# Altium PCB MEA_CLDP.PcbDoc (part 2 of 3)
Units mm, origin at the board's own origin, x right, y up, seen from the top; angles counter-clockwise.
Board outline 188.25 x 87.5 mm, 4 copper layers (Top Copper Layer, Internal Copper Layer 1, Internal Copper Layer 2, Bottom Copper Layer), stack 1.58 mm thick; 138 components, 326 nets, 1047 pads, 188 vias.
Unrouted connection lines stored in the file: 1.
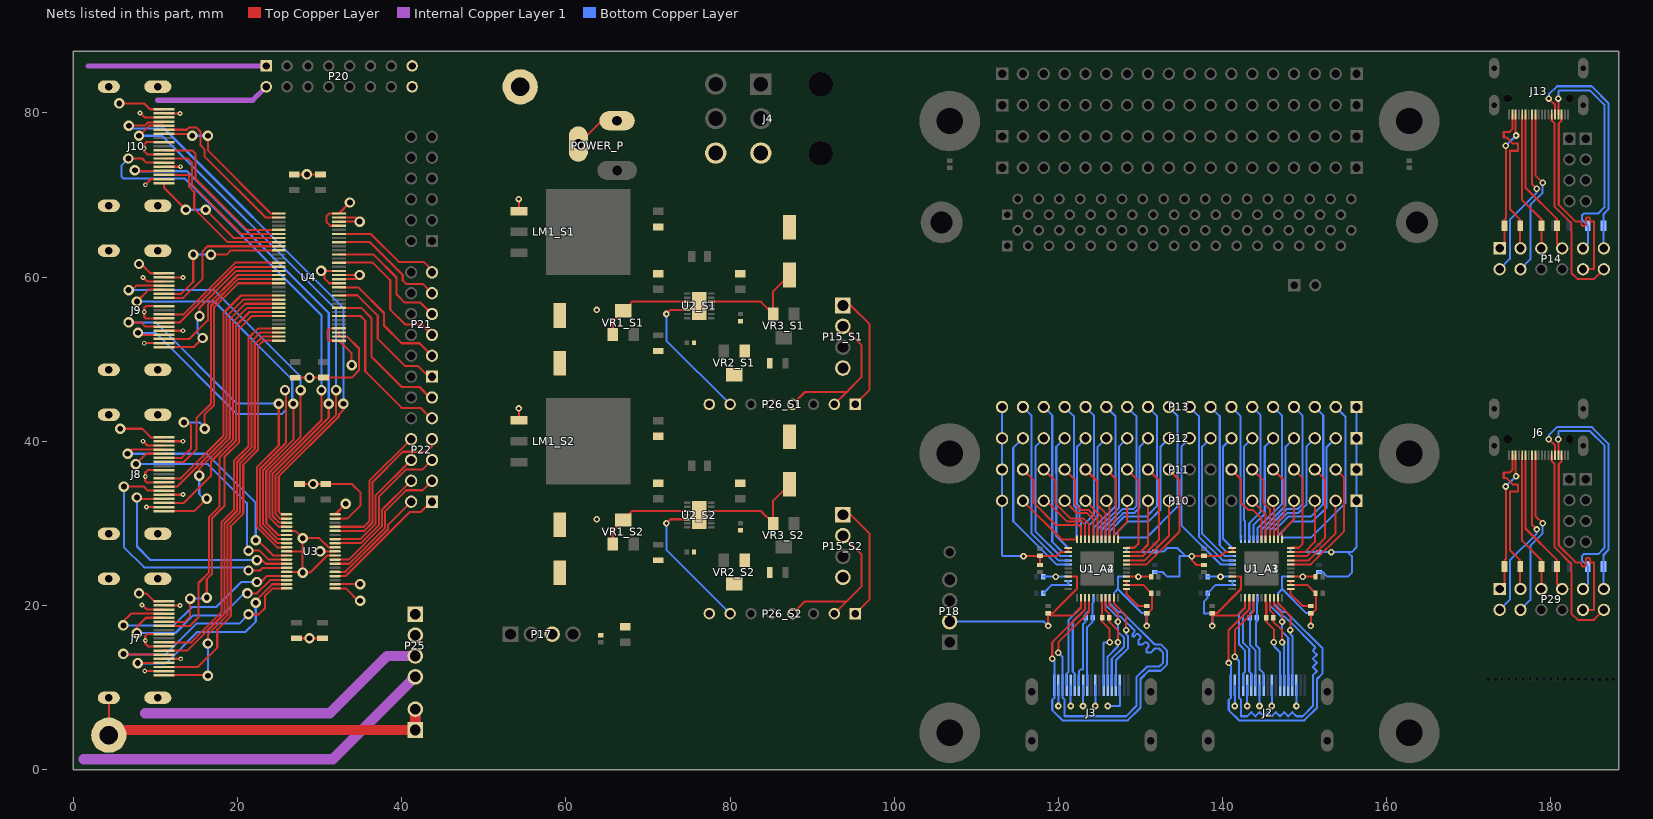
[diagram p4: the nets of this part, all layers, seen from the top]

## Via types
v1: diameter 0.8, hole 0.4, Top Copper Layer to Bottom Copper Layer, 101 vias
v2: diameter 1.27, hole 0.711, Top Copper Layer to Bottom Copper Layer, 67 vias
v3: diameter 0.6, hole 0.25, Top Copper Layer to Bottom Copper Layer, 20 vias

## Nets (pads, with @x,y where several pads share a name; then routed paths per layer and width w, separated by ;. In a path a pad name is that pad's centre, name@x,y a point inside that pad or via, vN(x,y) a via of type N, cw(c..) or ccw(c..) an arc to the next point about the centre after c; other vN are vias at no path point) (continued)
ELECIN5: P11.7 U1_A1.39 | length 10.4
  Top Copper Layer w0.25: P11.7@141.08,36.56 142.25,35.39 142.25,32.5 143.1,31.65 143.665,31.65 144.75,30.565 U1_A1.39@144.75,28.05
ELECIN6: P10.6 U1_A1.38 | length 5.4
  Top Copper Layer w0.25: P10.6@143.62,32.75 145.25,31.12 U1_A1.38@145.25,28.05
ELECIN7: P11.6 U1_A1.37 | length 9.4
  Top Copper Layer w0.25: P11.6@143.62,36.56 145,35.18 145,32.46 145.735,31.725 145.75,31.725 145.75,30.725 U1_A1.37@145.75,28.05
ELECIN8: P10.5 U1_A1.36 | length 4.7
  Top Copper Layer w0.25: P10.5@146.16,32.75 146.25,32.66 U1_A1.36@146.25,28.05
ELECIN9: P11.5 U1_A1.35 | length 9.4
  Top Copper Layer w0.25: P11.5@146.16,36.56 147.5,35.22 147.5,31 146.75,30.25 U1_A1.35@146.75,28.05
ELECIN10: P10.4 U1_A1.34 | length 5.3
  Top Copper Layer w0.25: U1_A1.34@147.25,28.05 147.25,29.05 148.7,30.5 P10.4@148.7,32.75
ELECIN11: P11.4 U1_A1.33 | length 11.2
  Top Copper Layer w0.25: U1_A1.33@148.3,27 148.325,27.025 149.275,27.025 149.75,27.5 149.75,35.51 P11.4@148.7,36.56
ELECIN12: P10.3 U1_A1.32 | length 8.5
  Top Copper Layer w0.25: U1_A1.32@148.3,26.5 149,26.5 150,26.5 151.25,27.75 151.25,32.74 P10.3@151.24,32.75
ELECIN13: P11.3 U1_A1.31 | length 14
  Top Copper Layer w0.25: U1_A1.31@148.3,26 149.25,26 150.25,26 152.5,28.25 152.5,35.3 P11.3@151.24,36.56
ELECIN14: P10.2 U1_A1.30 | length 10.8
  Top Copper Layer w0.25: U1_A1.30@148.3,25.5 150.5,25.5 153.78,28.78 P10.2@153.78,32.75
ELECIN15: P11.2 U1_A1.29 | length 16.1
  Top Copper Layer w0.25: U1_A1.29@148.3,25 150.75,25 154.805,29.055 154.805,35.535 P11.2@153.78,36.56
ELECIN16: P13.2 U1_A3.44 | length 21.8
  Bottom Copper Layer w0.25: U1_A3.44@147.25,28.05 147.45,28.25 150.73,28.25 155,32.52 155,42.96 P13.2@153.78,44.18
ELECIN17: P12.2 U1_A3.43 | length 16.7
  Bottom Copper Layer w0.25: U1_A3.43@146.75,28.05 146.75,28.514 148.486,30.25 151,30.25 152.665,31.915 152.665,39.255 P12.2@153.78,40.37
ELECIN18: P13.3 U1_A3.42 | length 20.7
  Bottom Copper Layer w0.25: U1_A3.42@146.25,28.05 146.25,29.053 148.047,30.85 150.79,30.85 152.265,32.325 152.265,43.155 P13.3@151.24,44.18
ELECIN19: P12.3 U1_A3.41 | length 15.4
  Bottom Copper Layer w0.25: U1_A3.41@145.75,28.05 145.75,29.119 147.881,31.25 149.21,31.25 149.285,31.325 149.29,31.325 150.215,32.25 150.215,39.345 P12.3@151.24,40.37
ELECIN20: P13.4 U1_A3.40 | length 19.2
  Bottom Copper Layer w0.25: U1_A3.40@145.25,28.05 145.25,29.184 147.791,31.725 149.125,31.725 149.725,32.325 149.725,43.155 P13.4@148.7,44.18
ELECIN21: P12.4 U1_A3.39 | length 14
  Bottom Copper Layer w0.25: U1_A3.39@144.75,28.05 144.75,29.25 147.675,32.175 147.675,39.345 P12.4@148.7,40.37
ELECIN22: P13.5 U1_A3.38 | length 17.8
  Bottom Copper Layer w0.25: U1_A3.38@144.25,28.05 144.25,29.39 147.25,32.39 147.25,43.09 P13.5@146.16,44.18
ELECIN23: P12.5 U1_A3.37 | length 13.3
  Bottom Copper Layer w0.25: U1_A3.37@143.75,28.05 143.75,29.75 145.135,31.135 145.135,39.345 P12.5@146.16,40.37
ELECIN24: P13.6 U1_A3.36 | length 17.1
  Bottom Copper Layer w0.25: U1_A3.36@143.25,28.05 143.25,30 144.645,31.395 144.645,43.155 P13.6@143.62,44.18
ELECIN25: P12.6 U1_A3.35 | length 12.8
  Bottom Copper Layer w0.25: U1_A3.35@142.75,28.05 142.75,30.25 142.595,30.405 142.595,39.345 P12.6@143.62,40.37
ELECIN26: P13.7 U1_A3.34 | length 16.6
  Bottom Copper Layer w0.25: P13.7@141.08,44.18 142.195,43.065 142.195,28.105 U1_A3.34@142.25,28.05
ELECIN27: P12.7 U1_A3.33 | length 14.3
  Bottom Copper Layer w0.25: P12.7@141.08,40.37 140.055,39.345 140.055,28.145 U1_A3.33@141.2,27
ELECIN28: P13.8 U1_A3.32 | length 19.2
  Bottom Copper Layer w0.25: P13.8@138.54,44.18 139.655,43.065 139.655,27.345 140.5,26.5 U1_A3.32@141.2,26.5
ELECIN29: P12.8 U1_A3.31 | length 16.9
  Bottom Copper Layer w0.25: P12.8@138.54,40.37 137.515,39.345 137.515,28.735 140.25,26 U1_A3.31@141.2,26
ELECIN30: P13.9 U1_A3.30 | length 21.5
  Bottom Copper Layer w0.25: P13.9@136,44.18 137.115,43.065 137.115,28.385 140,25.5 U1_A3.30@141.2,25.5
ELECIN31: P12.9 U1_A3.29 | length 19.2
  Bottom Copper Layer w0.25: P12.9@136,40.37 134.975,39.345 134.975,29.775 139.75,25 U1_A3.29@141.2,25
ELECIN32: P10.17 U1_A2.44 | length 8.5
  Top Copper Layer w0.25: P10.17@115.68,32.75 120.38,28.05 U1_A2.44@122.25,28.05
ELECIN33: P11.17 U1_A2.43 | length 13.4
  Top Copper Layer w0.25: P11.17@115.68,36.56 117,35.24 117,32.5 119.7,29.8 122.5,29.8 122.75,29.55 U1_A2.43@122.75,27.75
ELECIN34: P10.16 U1_A2.42 | length 8.1
  Top Copper Layer w0.25: P10.16@118.22,32.75 118.54,32.75 121.09,30.2 122.866,30.2 123.25,29.816 U1_A2.42@123.25,28
ELECIN35: P11.16 U1_A2.41 | length 11.7
  Top Copper Layer w0.25: P11.16@118.22,36.56 119.655,35.125 119.655,32.405 121.46,30.6 123.031,30.6 123.75,29.881 U1_A2.41@123.75,28.05
ELECIN36: P10.15 U1_A2.40 | length 6.9
  Top Copper Layer w0.25: P10.15@120.76,32.75 122.26,31.25 123.5,31.25 124.25,30.5 U1_A2.40@124.25,28.05
ELECIN37: P11.15 U1_A2.39 | length 10.7
  Top Copper Layer w0.25: P11.15@120.76,36.56 122,35.32 122,32.345 122.695,31.65 123.665,31.65 124.75,30.565 U1_A2.39@124.75,28.05
ELECIN38: P10.14 U1_A2.38 | length 5.5
  Top Copper Layer w0.25: P10.14@123.3,32.75 125.25,30.8 U1_A2.38@125.25,28.05
ELECIN39: P11.14 U1_A2.37 | length 9.5
  Top Copper Layer w0.25: P11.14@123.3,36.56 124.7,35.16 124.7,32.275 125.75,31.225 125.75,30.725 U1_A2.37@125.75,28.05
ELECIN40: P10.13 U1_A2.36 | length 4.9
  Top Copper Layer w0.25: P10.13@125.84,32.75 126.25,32.34 U1_A2.36@126.25,28.05
ELECIN41: P11.13 U1_A2.35 | length 9.1
  Top Copper Layer w0.25: P11.13@125.84,36.56 127,35.4 127,30.5 126.75,30.25 U1_A2.35@126.75,28.05
ELECIN42: P10.12 U1_A2.34 | length 5.2
  Top Copper Layer w0.25: U1_A2.34@127.25,28.05 127.25,29.05 128.38,30.18 P10.12@128.38,32.75
ELECIN43: P11.12 U1_A2.33 | length 11.3
  Top Copper Layer w0.25: U1_A2.33@128.3,27 128.325,27.025 129.275,27.025 129.75,27.5 129.75,35.19 P11.12@128.38,36.56
ELECIN44: P10.11 U1_A2.32 | length 8.3
  Top Copper Layer w0.25: U1_A2.32@128.3,26.5 129,26.5 130,26.5 130.92,27.42 P10.11@130.92,32.75
ELECIN45: P11.11 U1_A2.31 | length 13.9
  Top Copper Layer w0.25: U1_A2.31@128.3,26 129.25,26 130.25,26 132.25,28 132.25,35.23 P11.11@130.92,36.56
ELECIN46: P10.10 U1_A2.30 | length 10.7
  Top Copper Layer w0.25: U1_A2.30@128.3,25.5 130.5,25.5 133.46,28.46 P10.10@133.46,32.75
ELECIN47: P11.10 U1_A2.29 | length 16.2
  Top Copper Layer w0.25: U1_A2.29@128.3,25 130.75,25 134.75,29 134.75,35.27 P11.10@133.46,36.56
ELECIN48: P13.10 U1_A4.44 | length 21.5
  Bottom Copper Layer w0.25: U1_A4.44@127.25,28.05 127.45,28.25 130.73,28.25 134.5,32.02 134.5,43.14 P13.10@133.46,44.18
ELECIN49: P12.10 U1_A4.43 | length 16.6
  Bottom Copper Layer w0.25: U1_A4.43@126.75,28.05 126.75,28.514 128.486,30.25 131,30.25 132.435,31.685 132.435,39.345 P12.10@133.46,40.37
ELECIN50: P13.11 U1_A4.42 | length 20.6
  Bottom Copper Layer w0.25: U1_A4.42@126.25,28.05 126.25,29.053 128.047,30.85 130.79,30.85 132,32.06 132,43.1 P13.11@130.92,44.18
ELECIN51: P12.11 U1_A4.41 | length 15.2
  Bottom Copper Layer w0.25: U1_A4.41@125.75,28.05 125.75,29.119 127.881,31.25 129.21,31.25 129.285,31.325 129.29,31.325 129.895,31.93 129.895,39.345 P12.11@130.92,40.37
ELECIN52: P13.12 U1_A4.40 | length 19.1
  Bottom Copper Layer w0.25: U1_A4.40@125.25,28.05 125.25,29.184 127.791,31.725 129.125,31.725 129.495,32.095 129.495,39.511 129.5,39.516 129.5,43.06 P13.12@128.38,44.18
ELECIN53: P12.12 U1_A4.39 | length 13.8
  Bottom Copper Layer w0.25: U1_A4.39@124.75,28.05 124.75,29.25 127.355,31.855 127.355,39.345 P12.12@128.38,40.37
ELECIN54: P13.13 U1_A4.38 | length 17.7
  Bottom Copper Layer w0.25: U1_A4.38@124.25,28.05 124.25,29.39 126.955,32.095 126.955,43.065 P13.13@125.84,44.18
ELECIN55: P12.13 U1_A4.37 | length 13.2
  Bottom Copper Layer w0.25: U1_A4.37@123.75,28.05 123.75,29.75 124.75,30.75 124.75,39.28 P12.13@125.84,40.37
ELECIN56: P13.14 U1_A4.36 | length 17
  Bottom Copper Layer w0.25: U1_A4.36@123.25,28.05 123.25,30 124.325,31.075 124.325,43.155 P13.14@123.3,44.18
ELECIN57: P12.14 U1_A4.35 | length 12.9
  Bottom Copper Layer w0.25: U1_A4.35@122.75,28.05 122.75,30.25 122.595,30.405 122.595,32.005 122.275,32.325 122.275,39.345 P12.14@123.3,40.37
ELECIN58: P13.15 U1_A4.34 | length 16.7
  Bottom Copper Layer w0.25: P13.15@120.76,44.18 121.875,43.065 121.875,32.16 122.195,31.84 122.195,28.105 U1_A4.34@122.25,28.05
ELECIN59: P12.15 U1_A4.33 | length 14.4
  Bottom Copper Layer w0.25: P12.15@120.76,40.37 119.735,39.345 119.735,36.135 119.75,36.12 119.75,33.19 119.735,33.175 119.735,28.465 U1_A4.33@121.2,27
ELECIN60: P13.16 U1_A4.32 | length 19.3
  Bottom Copper Layer w0.25: P13.16@118.22,44.18 119.25,43.15 119.25,27.75 120.5,26.5 U1_A4.32@121.2,26.5
ELECIN61: P12.16 U1_A4.31 | length 17
  Bottom Copper Layer w0.25: P12.16@118.22,40.37 117.195,39.345 117.195,29.055 120.25,26 U1_A4.31@121.2,26
ELECIN62: P13.17 U1_A4.30 | length 21.7
  Bottom Copper Layer w0.25: P13.17@115.68,44.18 116.75,43.11 116.75,28.75 120,25.5 U1_A4.30@121.2,25.5
ELECIN63: P12.17 U1_A4.29 | length 19.5
  Bottom Copper Layer w0.25: P12.17@115.68,40.37 114.5,39.19 114.5,30.25 119.75,25 U1_A4.29@121.2,25
EPAD_S1: C5_S1.1 C5_S2.1 C6_S1.1 C6_S2.1 C7_S1.1 C7_S2.1 C8_S1.1 C8_S2.1 C9_S1.1 C9_S2.1 C11_S1.1 C11_S2.1 C12.2 C13.2 C44_S1.1 C44_S2.1 Designator2.1 J4.3 J4.6 LM1_S1.1 LM1_S2.1 P15_S1.4 P15_S2.4 P17.3 P26_S1.8 P26_S2.8 POWER_P.2 POWER_P.3 R12_S1.1 R12_S2.1 R13_S1.2 R13_S2.2 U2_S1.15 U2_S2.15 VR2_S1.1 VR2_S1.2 VR2_S2.1 VR2_S2.2 | length 8.9
  Top Copper Layer w0.25: v1(54.25,44.003) 54.3,43.953 LM1_S2.1@54.3,42.543 ; v1(54.25,69.503) 54.3,69.453 LM1_S1.1@54.3,68.043 ; POWER_P.2@61.521,76.203 64.371,79.053 POWER_P.3@66.236,79.053
GND: C1_A1.1 C1_A2.1 C1_A3.1 C1_A4.1 C2_A1.1 C2_A2.1 C2_A3.1 C2_A4.1 C3_A1.1 C3_A2.1 C3_A3.1 C3_A4.1 C4_A1.1 C4_A2.1 C4_A3.1 C4_A4.1 J2.2 J2.5 J2.8 J2.11 J2.17 J3.2 J3.5 J3.8 J3.11 J3.17 P10.1 P10.18 P11.1 P11.18 P12.1 P12.18 P13.1 P13.18 P18.2 R20_A1.2 R20_A2.2 R20_A3.2 R20_A4.2 U1_A1.1 U1_A1.2 U1_A1.8 U1_A1.13 U1_A1.24 U1_A1.25 U1_A2.1 U1_A2.2 U1_A2.8 U1_A2.13 U1_A2.24 U1_A2.25 U1_A3.1 U1_A3.2 U1_A3.8 U1_A3.13 U1_A3.24 U1_A3.25 U1_A4.1 U1_A4.2 U1_A4.8 U1_A4.13 U1_A4.24 U1_A4.25 | length 202.2
  Top Copper Layer w0.25: v1(115.75,26) 117.68,26 117.75,25.93 C4_A2.1@117.75,24.93 ; R20_A4.2@117.75,26 119.75,26 120.25,26.5 U1_A2.2@121.2,26.5 U1_A2.1@121.2,27 ; v1(118.75,17.5) C3_A2.1@118.75,19.07 ; U1_A2.8@121.2,23.5 122.25,23.5 122.25,22.004 120.075,19.829 120.075,19.825 119.32,19.07 C3_A2.1@118.75,19.07 ; U1_A2.13@122.75,20.95 122.75,19.75 121.75,18.75 119.07,18.75 C3_A2.1@118.75,19.07 ; U1_A2.25@128.3,23 U1_A2.24@128.3,22.5 130.32,22.5 C1_A2.1@131.32,21.5 ; v1(130.75,17.5) C2_A2.1@130.75,19.07 ; C2_A2.1@130.899,19.07 131.375,19.546 C1_A2.1@131.375,21.5 ; C4_A1.1@137.75,24.93 136.82,24.93 136.25,25.5 v1(136.25,26) 139.75,26 140.25,26.5 U1_A1.2@141.2,26.5 U1_A1.1@141.2,27 ; v1(138.75,17.5) C3_A1.1@138.75,19.07 ; U1_A1.8@141.2,23.5 142.25,23.5 142.25,22 142.246,22 139.316,19.07 C3_A1.1@138.75,19.07 ; U1_A1.13@142.75,20.95 142.75,19.75 141.75,18.75 139.07,18.75 C3_A1.1@138.75,19.07 ; U1_A1.25@148.3,23 U1_A1.24@148.3,22.5 150.32,22.5 C1_A1.1@151.32,21.5 151.375,21.5 151.375,19.546 150.899,19.07 C2_A1.1@150.75,19.07 v1(150.75,17.5)
  Bottom Copper Layer w0.25: P18.2@106.75,18.04 118.21,18.04 v1(118.75,17.5) ; P13.18@113.14,44.18 P12.18@113.14,40.37 P11.18@113.14,36.56 P10.18@113.14,32.75 113.14,26.11 113.25,26 v1(115.75,26) ; C1_A4.1@118.18,21.5 119.18,22.5 119.75,22.5 U1_A4.24@121.2,22.5 U1_A4.25@121.2,23 ; v1(120,7.75) J3.2@120,10.26 ; v1(121.5,7.75) J3.5@121.5,10.26 ; v1(123,7.75) J3.8@123,10.26 ; v1(124.5,7.75) J3.11@124.5,10.26 ; v1(126,7.75) 127.5,7.75 J3.17@127.5,10.26 ; U1_A4.13@126.75,20.95 126.75,21.5 127.25,22 ; U1_A4.8@128.3,23.5 127.25,23.5 127.25,22 ; U1_A4.1@128.3,27 U1_A4.2@128.3,26.5 131.68,26.5 R20_A2.2@131.75,26.57 132.82,26.57 133.25,27 134.5,27 135.5,26 ; v1(130.75,17.5) C3_A4.1@130.75,19.07 130.18,19.07 127.25,22 ; C4_A4.1@131.75,24.07 132.68,24.07 133.25,23.5 134.75,23.5 134.75,26 135.5,26 ; v1(136.25,26) 135.5,26 ; v1(138.75,17.5) C2_A3.1@138.75,19.07 138.68,19 137.75,19 137.75,20.5 138.18,20.93 C1_A3.1@138.18,21.5 139.18,22.5 139.75,22.5 U1_A3.24@141.2,22.5 U1_A3.25@141.2,23 ; v1(141.5,7.75) J2.2@141.5,10.26 ; v1(143,7.75) J2.5@143,10.26 ; v1(144.5,7.75) J2.8@144.5,10.26 ; v1(146,7.75) J2.11@146,10.26 ; U1_A3.13@146.75,20.95 146.75,21.5 147.25,22 ; U1_A3.8@148.3,23.5 147.25,23.5 147.25,22 ; U1_A3.1@148.3,27 U1_A3.2@148.3,26.5 R20_A3.2@151.75,26.5 v1(153.25,26.5) 155.25,26.5 ; v1(149,7.75) J2.17@149,10.26 ; v1(150.75,17.5) C3_A3.1@150.75,19.07 150.18,19.07 147.25,22 ; C4_A3.1@151.75,24.07 152.18,24.07 152.75,23.5 155.25,23.5 155.75,24 155.75,26 155.25,26.5 ; P13.1@156.32,44.18 P12.1@156.32,40.37 P11.1@156.32,36.56 P10.1@156.32,32.75 156.32,27.07 155.75,26.5 155.25,26.5
lbGND: J7.2 J7.5 J7.8 J7.11 J7.17 J8.2 J8.5 J8.8 J8.11 J8.17 J9.2 J9.5 J9.8 J9.11 J9.17 J10.2 J10.5 J10.8 J10.11 J10.17 P20.16 P25.2 U3.5 U3.10 U3.15 U3.20 U3.28 U3.30 U3.38 U4.1 U4.4 U4.15 U4.18 U4.29 U4.32 | length 97.8
  Top Copper Layer w0.254: v3(8.128,80.01) 8.692,79.446 J10.17@11.047,79.446 ; v3(8.382,20.066) 8.946,19.502 J7.17@11.047,19.502 ; v3(8.509,40.005) 9.031,39.483 J8.17@11.047,39.483 ; v3(8.509,59.944) 8.988,59.465 J9.17@11.047,59.465 ; v3(8.636,51.943) 8.658,51.965 J9.2@11.047,51.965 ; v3(8.7,12.002) J7.2@11.047,12.002 ; v3(8.763,71.247) 9.462,71.946 J10.2@11.047,71.946 ; v3(8.911,31.983) J8.2@11.047,31.983 ; J7.5@11.047,13.502 v3(13.081,13.502) ; J7.11@11.047,16.502 9.009,16.502 8.763,16.256 v3(8.763,15.748) 8.763,15.367 9.128,15.002 J7.8@11.047,15.002 J7.8@11.174,15.002 ; J8.5@11.047,33.483 13.29,33.483 v3(13.335,33.528) ; J8.8@11.047,34.983 8.959,34.983 8.763,35.179 v3(8.763,35.687) 8.763,36.195 9.051,36.483 J8.11@11.047,36.483 ; J9.5@11.047,53.465 v3(13.333,53.465) ; J9.8@11.047,54.965 8.789,54.965 8.636,55.118 v3(8.636,55.753) 8.636,56.261 8.84,56.465 J9.11@11.047,56.465 ; J10.5@11.047,73.446 v3(13.041,73.446) ; J10.8@11.047,74.946 9.001,74.946 8.636,75.311 v3(8.636,75.692) 8.636,76.2 8.882,76.446 J10.11@11.047,76.446 ; U3.15@25.977,24.083 27.86,24.083 v2(27.94,24.003) ; U3.10@25.977,26.583 27.94,26.583 ; U3.5@25.977,29.083 27.051,29.083 v2(27.94,28.194) ; U3.20@31.877,22.083 33.162,22.083 34.925,20.32 v2(34.925,20.574) ; U3.28@31.877,26.083 30.909,26.083 28.829,24.003 v2(27.94,24.003) ; U3.30@31.877,27.083 31.083,27.083 29.972,28.194 v2(27.94,28.194) ; U3.38@31.877,31.083 v2(33.179,32.385) ; U4.4@32.36,53.754 31.275,53.754 30.988,53.467 30.988,52.451 31.185,52.254 U4.1@32.36,52.254 33.909,50.705 v2(33.909,49.276) ; U4.15@32.36,59.254 31.17,59.254 30.607,59.817 30.607,60.754 U4.18@32.36,60.754 ; U4.29@32.36,66.254 31.282,66.254 30.861,66.675 30.861,67.437 31.178,67.754 U4.32@32.36,67.754 v2(33.694,69.088) ; v2(27.94,24.003) 27.94,26.583 ; 27.94,26.583 v2(27.94,28.194)
  Bottom Copper Layer w0.254: v2(27.94,24.003) v2@28.321,24.003 ; v2@30.099,60.833 v2(30.178,60.754) ; v2(33.179,32.385) v2@33.401,32.385
lbVDD: J7.18 J8.18 J9.18 J10.18 P20.15 P25.1 R1.2 R2.2 R6.2 R10.2 R11.2 R14.2 R15.2 R16.2 U3.21 U3.29 U3.37 U4.2 U4.3 U4.16 U4.17 U4.30 U4.31 | length 58.8
  Top Copper Layer w0.254: J7.18@11.047,20.002 v3(13.018,20.002) ; J8.18@11.047,39.983 11.069,40.005 v3(13.335,40.005) ; J9.18@11.047,59.965 13.314,59.965 v3(13.335,59.944) ; J10.18@11.047,79.946 v3(13.017,79.946) ; R10.2@26.924,72.512 v2(28.448,72.512) R14.2@30.099,72.512 ; R2.2@27.051,47.752 27.056,47.757 v2(28.768,47.757) R1.2@30.48,47.757 33.015,47.757 33.02,47.752 33.909,47.752 34.798,48.641 34.798,51.308 33.352,52.754 U4.2@32.36,52.754 U4.3@32.36,53.254 ; R15.2@27.178,16.002 v2(28.765,16.002) ; R11.2@27.559,34.798 v2(29.21,34.798) R6.2@30.734,34.798 33.909,34.798 34.989,33.718 34.989,32.194 33.377,30.583 U3.37@31.877,30.583 ; v2@28.765,15.557 v2(28.765,16.002) ; v2(30.059,26.583) U3.29@31.877,26.583 ; R16.2@30.353,16.002 v2(28.765,16.002) ; U3.21@31.877,22.583 31.9,22.606 v2(34.925,22.606) ; U4.16@32.36,59.754 34.369,59.754 v2(34.869,60.254) U4.17@32.36,60.254 ; U4.30@32.36,66.754 v2(34.877,66.754) 34.377,67.254 U4.31@32.36,67.254
  Bottom Copper Layer w0.254: v2(34.869,60.254) v2@35.052,60.071 ; v2(34.877,66.754) v2@34.925,66.802 ; v2@34.925,22.352 v2(34.925,22.606)
lbVSTIM+: J7.19 J9.19 P20.2 P25.3 | length 56.6
  Top Copper Layer w0.254: v2(8.001,21.463) 8.89,21.463 9.851,20.502 J7.19@11.047,20.502 ; v2(8.001,61.595) 8.255,61.595 9.385,60.465 J9.19@11.047,60.465
  Internal Copper Layer 1 w0.635: 10.287,81.534 21.844,81.534 P20.2@23.495,83.185
  Internal Copper Layer 1 w1.27: 8.763,6.858 31.242,6.858 38.227,13.843 P25.3@41.656,13.843
lbVSTIM-: J8.19 J10.19 P20.1 P25.4 | length 77.8
  Top Copper Layer w0.254: v2(5.588,81.153) 8.636,81.153 9.343,80.446 J10.19@11.047,80.446 ; v2(5.715,41.529) 8.382,41.529 9.428,40.483 J8.19@11.047,40.483
  Internal Copper Layer 1 w0.635: 1.778,85.725 P20.1@23.495,85.725
  Internal Copper Layer 1 w1.27: 1.27,1.25 31.603,1.25 P25.4@41.656,11.303
lcGND: Designator1.1 J7.SH1 J7.SH2 J7.SH3 J7.SH4 J8.SH1 J8.SH2 J8.SH3 J8.SH4 J9.SH1 J9.SH2 J9.SH3 J9.SH4 J10.SH1 J10.SH2 J10.SH3 J10.SH4 P30.1 P30.2 | length 84.8
  Top Copper Layer w0.254: Designator1.1@4.318,4.191 4.318,8.743 J7.SH4@4.327,8.752
  Top Copper Layer w1.27: Designator1.1@4.318,4.191 4.953,4.826 P30.1@41.656,4.826 P30.2@41.656,7.366
  Bottom Copper Layer w1.27: Designator1.1@4.318,4.191 4.953,4.826 P30.1@41.656,4.826 P30.2@41.656,7.366
LDO+_S1: C5_S1.2 P15_S1.1 P26_S1.1 U2_S1.10 VR1_S1.1 VR1_S1.2 | length 26.4
  Top Copper Layer w0.25: VR1_S1.1@65.71,53.003 65.71,54.633 VR1_S1.2@66.98,55.903 68.08,57.003 U2_S1.10@74.798,57.003 ; P15_S1.1@93.75,56.543 94.71,56.543 97,54.253 97,46.253 P26_S1.1@95.25,44.503
  other v1: 63.75,56.003
LDO+_S2: C5_S2.2 P15_S2.1 P26_S2.1 U2_S2.10 VR1_S2.1 VR1_S2.2 | length 26.4
  Top Copper Layer w0.25: VR1_S2.1@65.71,27.503 65.71,29.133 68.08,31.503 U2_S2.10@74.798,31.503 ; P15_S2.1@93.75,31.043 94.71,31.043 97,28.753 97,20.753 P26_S2.1@95.25,19.003
  other v1: 63.75,30.503
LDO-_S1: C11_S1.2 P15_S1.2 P26_S1.2 P26_S1.4 U2_S1.5 VR3_S1.3 | length 32.7
  Top Copper Layer w0.25: U2_S1.5@77.702,57.003 83.75,57.003 VR3_S1.3@85.25,55.503 85.25,58.253 C11_S1.2@87.25,60.253 ; P26_S1.4@87.63,44.503 89.13,46.003 94.21,46.003 ; P26_S1.2@92.71,44.503 94.21,46.003 ; P15_S1.2@93.75,54.003 96,51.753 96,47.793 94.21,46.003
LDO-_S2: C11_S2.2 P15_S2.2 P26_S2.2 P26_S2.4 U2_S2.5 VR3_S2.3 | length 32.7
  Top Copper Layer w0.25: U2_S2.5@77.702,31.503 83.75,31.503 VR3_S2.3@85.25,30.003 85.25,32.753 C11_S2.2@87.25,34.753 ; P26_S2.4@87.63,19.003 89.13,20.503 94.21,20.503 ; P26_S2.2@92.71,19.003 94.21,20.503 ; P15_S2.2@93.75,28.503 96,26.253 96,22.293 94.21,20.503
LVDS_Enable_A1: R7_A1.1 U1_A1.26 | length 3
  Top Copper Layer w0.25: U1_A1.26@148.3,23.5 v1(149.75,23.5) R7_A1.1@151.32,23.5
LVDS_Enable_A2: R7_A2.1 U1_A2.26 | length 3
  Top Copper Layer w0.25: U1_A2.26@128.3,23.5 v1(129.75,23.5) R7_A2.1@131.32,23.5
LVDS_Enable_A3: R7_A3.1 U1_A3.26 | length 3
  Bottom Copper Layer w0.25: R7_A3.1@138.18,23.5 v1(139.75,23.5) U1_A3.26@141.2,23.5
LVDS_Enable_A4: R7_A4.1 U1_A4.26 | length 3
  Bottom Copper Layer w0.25: R7_A4.1@118.18,23.5 v1(119.69,23.5) U1_A4.26@121.2,23.5
MISO1_1_N: J13.15 P14.6 R4.1 | length 29.2
  Top Copper Layer w0.25: v1(179.75,81.75) 180.5,81 J13.15@180.5,79.8
  Bottom Copper Layer w0.25: v1(179.75,81.75) 179.75,82.25 180.75,83.25 184.957,83.25 185.104,83.104 187,81.207 187,68.25 186.4,67.65 R4.1@186.4,66.25 186.4,63.55 P14.6@186.45,63.5
MISO1_1_P: J13.16 P14.5 R4.2 | length 29.4
  Top Copper Layer w0.25: J13.16@180.9,79.8 v1(180.9,81.75)
  Bottom Copper Layer w0.25: v1(180.9,81.75) 180.9,82.65 181,82.75 184.75,82.75 186.5,81 186.5,68.5 185.75,67.75 184,67.75 183.799,67.549 183.799,66.951 R4.2@184.5,66.25 184.5,64.09 P14.5@183.91,63.5
MISO1_2_N: J6.15 P29.6 R21.1 | length 29.2
  Top Copper Layer w0.25: v1(179.75,40.25) 180.5,39.5 J6.15@180.5,38.3
  Bottom Copper Layer w0.25: v1(179.75,40.25) 179.75,40.75 180.75,41.75 184.957,41.75 185.104,41.604 187,39.707 187,26.75 186.4,26.15 R21.1@186.4,24.75 186.4,22.05 P29.6@186.45,22
MISO1_2_P: J6.16 P29.5 R21.2 | length 29.4
  Top Copper Layer w0.25: J6.16@180.9,38.3 v1(180.9,40.25)
  Bottom Copper Layer w0.25: v1(180.9,40.25) 180.9,41.15 181,41.25 184.75,41.25 186.5,39.5 186.5,27 185.75,26.25 184,26.25 183.799,26.049 183.799,25.451 R21.2@184.5,24.75 184.5,22.59 P29.5@183.91,22
MISO1_N: J7.15 U3.17 | length 25.4
  Top Copper Layer w0.254: v2(7.747,16.637) 7.747,17.399 8.85,18.502 J7.15@11.047,18.502 ; v2(21.209,21.463) 22.352,21.463 23.972,23.083 U3.17@25.977,23.083
  Bottom Copper Layer w0.254: v2(7.747,16.637) 12.446,16.637 14.605,18.796 18.161,18.796 20.828,21.463 v2(21.209,21.463)
MISO1_P: J7.16 U3.16 | length 28.6
  Top Copper Layer w0.254: v2(6.096,17.573) 5.842,17.827 7.017,19.002 J7.16@11.047,19.002 ; v2(22.352,22.86) 22.86,22.86 23.583,23.583 U3.16@25.977,23.583 U3.16@25.938,23.622
  Bottom Copper Layer w0.254: v2(6.096,17.573) 12.239,17.573 14.478,19.812 17.399,19.812 20.447,22.86 v2(22.352,22.86) v2@22.479,22.86
MISO1_SE: P22.2 U3.24 | length 13.1
  Top Copper Layer w0.254: U3.24@31.877,24.083 33.131,24.083 38.354,29.306 38.354,29.845 P22.2@41.148,32.639
MISO1h_N: J2.15 U1_A1.20 | length 11.4
  Top Copper Layer w0.25: U1_A1.20@146.25,20.95 146.25,20 147.25,19 v1(147.25,18)
  Bottom Copper Layer w0.25: v1(147.25,18) 147.25,16.793 148,16.043 J2.15@148,10.26
MISO1h_P: J2.16 U1_A1.21 | length 11.4
  Top Copper Layer w0.25: U1_A1.21@146.75,20.95 146.75,20.25 148.25,18.75 v1(148.25,17)
  Bottom Copper Layer w0.25: v1(148.25,17) 148.25,16.5 148.396,16.354 148.5,16.25 J2.16@148.5,10.26
MISO2_N: J8.15 U3.12 | length 30.5
  Top Copper Layer w0.254: v2(7.62,37.211) 8.892,38.483 J8.15@11.047,38.483 ; v2(21.336,26.67) 22.702,26.67 23.789,25.583 U3.12@25.977,25.583
  Bottom Copper Layer w0.254: v2@7.62,37.084 v2(7.62,37.211) 16.383,37.211 21.145,32.448 v2@21.145,26.86
  Bottom Copper Layer w0.381: v2@21.145,26.86 v2(21.336,26.67)
MISO2_P: J8.16 U3.11 | length 32.4
  Top Copper Layer w0.254: v2(6.606,38.483) 7.106,38.983 J8.16@11.047,38.983 ; v2(22.225,27.94) 22.479,27.94 24.336,26.083 U3.11@25.977,26.083
  Bottom Copper Layer w0.254: v2@6.604,38.481 v2(6.606,38.483) 16.254,38.483 22.225,32.512 v2(22.225,27.94) v2@22.606,27.559
MISO2_SE: P22.4 U3.27 | length 14.4
  Top Copper Layer w0.254: U3.27@31.877,25.583 33.549,25.583 37.592,29.626 37.592,31.623 P22.4@41.148,35.179
MISO2h_N: J3.15 U1_A2.20 | length 12
  Top Copper Layer w0.25: U1_A2.20@126.25,20.95 126.25,20 127.25,19 v1(127.25,18)
  Bottom Copper Layer w0.25: J3.15@126.5,10.26 126.5,12.75 126.5,13.5 128,15 128,16.043 127.25,16.793 v1(127.25,18)
MISO2h_P: J3.16 U1_A2.21 | length 12
  Top Copper Layer w0.25: U1_A2.21@126.75,20.95 126.75,20.25 128.25,18.75 v1(128.25,17)
  Bottom Copper Layer w0.25: J3.16@127,10.26 127,11.685 127,13.293 128.5,14.793 128.5,16.25 128.396,16.354 128.25,16.5 v1(128.25,17)
MISO3_1_N: J13.6 P14.4 R8.1 | length 18.2
  Top Copper Layer w0.25: J13.6@176.9,79.8 176.9,70.875 180.75,67.025 R8.1@180.75,66.25 180.75,64.12 P14.4@181.37,63.5
MISO3_1_P: J13.5 P14.3 R8.2 | length 17.3
  Top Copper Layer w0.25: J13.5@176.5,79.8 176.5,69.375 178.85,67.025 R8.2@178.85,66.25 178.85,63.52 P14.3@178.83,63.5
MISO3_2_N: J6.6 P29.4 R22.1 | length 18.2
  Top Copper Layer w0.25: J6.6@176.9,38.3 176.9,29.375 180.75,25.525 R22.1@180.75,24.75 180.75,22.62 P29.4@181.37,22
MISO3_2_P: J6.5 P29.3 R22.2 | length 17.3
  Top Copper Layer w0.25: J6.5@176.5,38.3 176.5,27.875 178.85,25.525 R22.2@178.85,24.75 178.85,22.02 P29.3@178.83,22
MISO3_N: J7.6 U3.19 | length 29.3
  Top Copper Layer w0.254: v2(6.096,14.097) 6.191,14.002 J7.6@11.047,14.002 ; v2(21.336,18.923) 22.606,18.923 23.368,19.685 23.368,21.178 24.273,22.083 U3.19@25.977,22.083
  Bottom Copper Layer w0.254: v2@6.096,14.002 11.208,14.002 14.986,17.78 20.193,17.78 v2(21.336,18.923) ; v2(6.096,14.097) v2@6.35,14.097
MISO3_P: J7.4 U3.18 | length 26.9
  Top Copper Layer w0.254: v2(7.848,12.98) 7.826,13.002 J7.4@11.047,13.002 ; v2(22.225,20.32) 22.225,20.574 24.234,22.583 U3.18@25.977,22.583
  Bottom Copper Layer w0.254: v2(7.848,12.98) 7.874,12.954 11.303,12.954 15.113,16.764 20.955,16.764 22.225,18.034 v2(22.225,20.32)
MISO3_SE: P22.1 U3.23 | length 15.6
  Top Copper Layer w0.254: U3.23@31.877,23.583 33.17,23.583 40.956,31.369 42.291,31.369 43.561,32.639 P22.1@43.688,32.639
MISO3h_N: J2.6 U1_A3.20 | length 11.4
  Bottom Copper Layer w0.25: U1_A3.20@143.25,20.95 143.25,20.25 143.25,19.543 142.5,18.793 142.5,15.457 143.25,14.707 143.25,11.935 143.5,11.685 J2.6@143.5,10.26
MISO3h_P: J2.4 U1_A3.21 | length 11.4
  Bottom Copper Layer w0.25: J2.4@142.5,10.26 142.5,11.685 142.75,11.935 142.75,14.5 142,15.25 142,19 142.75,19.75 U1_A3.21@142.75,20.95
MISO4_N: J8.6 U3.14 | length 33.7
  Top Copper Layer w0.254: v2(6.162,34.483) 8.57,34.483 9.07,33.983 J8.6@11.047,33.983 ; v2(21.336,24.257) 22.733,24.257 23.059,24.583 U3.14@25.977,24.583
  Bottom Copper Layer w0.254: v2@6.096,34.417 v2(6.162,34.483) 6.162,27.112 8.636,24.638 20.955,24.638 v2(21.336,24.257)
MISO4_P: J8.4 U3.13 | length 28.4
  Top Copper Layer w0.254: v2(7.747,33.147) 7.911,32.983 J8.4@11.047,32.983 ; v2(22.352,25.527) 22.987,25.527 23.431,25.083 U3.13@25.977,25.083
  Bottom Copper Layer w0.254: v2(7.747,33.147) 7.747,27.178 9.398,25.527 v2(22.352,25.527)
MISO4_SE: P22.3 U3.26 | length 17.2
  Top Copper Layer w0.254: U3.26@31.877,25.083 33.592,25.083 37.973,29.464 37.973,31.465 40.544,34.036 42.545,34.036 P22.3@43.688,35.179
MISO4h_N: J3.6 U1_A4.20 | length 11.4
  Bottom Copper Layer w0.25: J3.6@122,10.26 122,11.685 121.75,11.935 121.75,18.043 123.25,19.543 123.25,20.25 U1_A4.20@123.25,20.95
MISO4h_P: J3.4 U1_A4.21 | length 11.4
  Bottom Copper Layer w0.25: J3.4@121,10.26 121,11.685 121.25,11.935 121.25,18.25 122.75,19.75 U1_A4.21@122.75,20.95
MISO5_N: J9.15 U3.7 | length 49.8
  Top Copper Layer w0.254: v2(7.747,57.023) 9.189,58.465 J9.15@11.047,58.465 ; U3.7@25.977,28.083 24.916,28.083 23.114,29.885 23.114,36.507 26.797,40.19 v2(26.797,44.577)
  Bottom Copper Layer w0.254: v2@7.493,57.023 v2(7.747,57.023) 17.145,57.023 26.67,47.498 v2@26.67,44.577
MISO5_P: J9.16 U3.6 | length 52.5
  Top Copper Layer w0.254: v2(6.731,58.42) 7.112,58.42 7.657,58.965 J9.16@11.047,58.965 ; U3.6@25.977,28.583 24.954,28.583 23.495,30.042 23.495,36.349 27.686,40.54 v2(27.686,46.228)
  Bottom Copper Layer w0.254: v2(6.731,58.42) 17.145,58.42 27.686,47.879 v2(27.686,46.228)
MISO5_SE: P22.6 U3.32 | length 15.3
  Top Copper Layer w0.254: U3.32@31.877,28.083 34.972,28.083 36.83,29.941 36.83,33.401 P22.6@41.148,37.719
MISO6_N: J10.15 U3.2 | length 66
  Top Copper Layer w0.254: v2(8.001,77.216) 9.231,78.446 J10.15@11.047,78.446 ; U3.2@25.958,30.564 25.189,30.564 24.638,31.115 24.638,35.876 32.004,43.242 v2(32.004,46.228)
  Bottom Copper Layer w0.254: v2@7.874,77.216 v2(8.001,77.216) 10.795,77.216 32.004,56.007 v2(32.004,46.228)
MISO6_P: J10.16 U3.1 | length 69.1
  Top Copper Layer w0.254: v2(6.771,78.446) 8.692,78.446 9.096,78.85 10.951,78.85 J10.16@11.047,78.946 ; U3.1@25.977,31.083 25.356,31.083 25.019,31.42 25.019,35.718 32.385,43.084 32.385,43.307 32.893,43.815 v2(32.893,44.577)
  Bottom Copper Layer w0.254: v2@6.731,78.486 v2(6.771,78.446) 7.112,78.105 11.049,78.105 32.893,56.261 v2(32.893,44.577)
MISO6_SE: P22.8 U3.35 | length 16.6
  Top Copper Layer w0.254: U3.35@31.877,29.583 35.394,29.583 36.068,30.257 36.068,35.179 P22.8@41.148,40.259
MISO7_N: J9.6 U3.9 | length 47.7
  Top Copper Layer w0.254: v2@6.713,54.465 v2(6.731,54.483) 8.255,54.483 8.773,53.965 J9.6@11.047,53.965 ; v2(25.019,44.577) 25.019,39.49 22.352,36.823 22.352,29.569 24.838,27.083 U3.9@25.977,27.083
  Bottom Copper Layer w0.254: v2(6.731,54.483) 10.033,54.483 19.939,44.577 v2(25.019,44.577)
MISO7_P: J9.4 U3.8 | length 50.2
  Top Copper Layer w0.254: v2(7.874,53.213) 8.122,52.965 J9.4@11.047,52.965 ; v2(25.781,46.228) 25.908,46.101 25.908,39.84 22.733,36.665 22.733,29.727 24.877,27.583 U3.8@25.977,27.583
  Bottom Copper Layer w0.254: v2@7.874,53.086 v2(7.874,53.213) 10.033,53.213 19.939,43.307 25.4,43.307 25.908,43.815 25.908,46.101 v2(25.781,46.228)
MISO7_SE: P22.5 U3.31 | length 18
  Top Copper Layer w0.254: U3.31@31.877,27.583 35.011,27.583 37.211,29.783 37.211,33.243 40.544,36.576 42.545,36.576 P22.5@43.688,37.719
MISO8_N: J10.6 U3.4 | length 68.5
  Top Copper Layer w0.254: v2(6.707,74.446) 8.358,74.446 8.858,73.946 J10.6@11.047,73.946 ; U3.4@25.977,29.583 25.032,29.583 23.876,30.739 23.876,36.191 30.226,42.541 v2(30.226,46.228)
  Bottom Copper Layer w0.254: v2@6.604,74.549 v2(6.707,74.446) 5.842,73.581 5.842,72.263 6.096,72.009 13.589,72.009 30.226,55.372 v2(30.226,46.228)
MISO8_P: J10.4 U3.3 | length 64
  Top Copper Layer w0.254: v2(7.493,73.025) 7.572,72.946 J10.4@11.047,72.946 ; U3.3@25.977,30.083 25.071,30.083 24.257,30.897 24.257,36.033 31.115,42.891 v2(31.115,44.577)
  Bottom Copper Layer w0.254: v2(7.493,73.025) 7.626,72.892 13.849,72.892 31.115,55.626 v2(31.115,44.577)
MISO8_SE: P22.7 U3.34 | length 19.8
  Top Copper Layer w0.254: U3.34@31.877,29.083 35.433,29.083 36.449,30.099 36.449,35.021 40.151,38.723 43.041,38.723 43.688,39.37 P22.7@43.688,40.259
MODE_S1: P26_S1.7 U2_S1.12 | length 17
  Top Copper Layer w0.25: v1(72.25,55.503) 72.75,56.003 U2_S1.12@74.798,56.003
  Bottom Copper Layer w0.25: v1(72.25,55.503) 72.25,52.263 P26_S1.7@80.01,44.503
MODE_S2: P26_S2.7 U2_S2.12 | length 17
  Top Copper Layer w0.25: v1(72.25,30.003) 72.75,30.503 U2_S2.12@74.798,30.503
  Bottom Copper Layer w0.25: v1(72.25,30.003) 72.25,26.763 P26_S2.7@80.01,19.003
MOSI1_1_N: J13.14 P14.12 | length 25.1
  Top Copper Layer w0.25: J13.14@180.1,79.8 180.1,79.075 180.45,78.725 180.45,68.593 182.5,66.543 182.5,60.5 183.25,59.75 185.24,59.75 P14.12@186.45,60.96
MOSI1_1_P: J13.17 P14.11 | length 25.1
  Top Copper Layer w0.25: J13.17@181.3,79.8 181.3,79.075 180.95,78.725 180.95,68.8 183,66.75 183.65,66.75 183.75,66.65 183.75,66.342 183.85,66.242 184.15,66.242 184.25,66.342 184.25,67.158 184.35,67.258 184.65,67.258 184.75,67.158 184.75,66.85 184.85,66.75 185.25,66.75 185.25,61 185.21,60.96 P14.11@183.91,60.96
MOSI1_2_N: J6.14 P29.12 | length 25.1
  Top Copper Layer w0.25: J6.14@180.1,38.3 180.1,37.575 180.45,37.225 180.45,27.093 182.5,25.043 182.5,19 183.25,18.25 185.24,18.25 P29.12@186.45,19.46
MOSI1_2_P: J6.17 P29.11 | length 25.1
  Top Copper Layer w0.25: J6.17@181.3,38.3 181.3,37.575 180.95,37.225 180.95,27.3 183,25.25 183.65,25.25 183.75,25.15 183.75,24.842 183.85,24.742 184.15,24.742 184.25,24.842 184.25,25.658 184.35,25.758 184.65,25.758 184.75,25.658 184.75,25.35 184.85,25.25 185.25,25.25 185.25,19.5 185.21,19.46 P29.11@183.91,19.46
MOSI1_N: J7.13 U4.57 | length 48
  Top Copper Layer w0.254: J7.13@11.047,17.502 14.2,17.502 15.24,18.542 15.24,22.732 16.51,24.002 16.51,30.765 17.78,32.035 17.78,38.011 19.812,40.043 19.812,54.102 21.464,55.754 U4.57@25.019,55.754
MOSI1_P: J7.14 U4.58 | length 47.6
  Top Copper Layer w0.254: J7.14@11.047,18.002 13.557,18.002 14.224,18.669 v2(14.224,20.828) ; v2(16.256,20.955) 16.256,23.209 16.891,23.844 16.891,30.607 18.415,32.131 18.415,38.107 20.193,39.885 20.193,53.721 21.726,55.254 U4.58@25.019,55.254
  Bottom Copper Layer w0.254: v2(14.224,20.828) 16.129,20.828 v2(16.256,20.955)
MOSI1_SE: P22.11 U4.9 | length 18.6
  Top Copper Layer w0.254: U4.9@32.36,56.254 35.059,56.254 36.322,54.991 36.322,50.292 40.005,46.609 42.164,46.609 43.434,45.339 P22.11@43.688,45.339
MOSI1h_N: J2.13 R3.1 U1_A1.18 | length 11.4
  Top Copper Layer w0.25: U1_A1.18@145.25,20.95 145.25,20.375 145.32,20.305 R3.1@145.32,18.5 145.32,18.025 146.25,17.095 v1(146.25,15.5)
  Bottom Copper Layer w0.25: v1(146.25,15.5) 146.316,15.434 146.316,15 147,14.316 J2.13@147,10.26
MOSI1h_P: J2.14 R3.2 U1_A1.19 | length 11.4
  Top Copper Layer w0.25: U1_A1.19@145.75,20.95 145.75,19.405 146.18,18.975 R3.2@146.18,18.5 146.18,18.025 147.25,16.955 v1(147.25,15.5)
  Bottom Copper Layer w0.25: v1(147.25,15.5) 147.5,15.25 J2.14@147.5,10.26
MOSI2_N: J8.13 U4.49 | length 32.4
  Top Copper Layer w0.254: J8.13@11.047,37.483 13.48,37.483 14.986,38.989 14.986,42.799 16.764,44.577 16.764,56.484 20.034,59.754 U4.49@25.019,59.754
MOSI2_P: J8.14 U4.50 | length 34.9
  Top Copper Layer w0.254: J8.14@11.047,37.983 13.218,37.983 14.351,39.116 14.351,41.91 13.97,42.291 v2(13.462,42.291) ; v2(16.002,41.529) 16.002,43.276 17.145,44.419 17.145,56.326 20.073,59.254 U4.50@25.019,59.254
  Bottom Copper Layer w0.254: v2(13.462,42.291) 15.367,42.291 15.621,42.037 15.621,41.91 v2(16.002,41.529)
MOSI2_SE: P21.3 U4.14 | length 15.7
  Top Copper Layer w0.254: U4.14@32.36,58.754 34.714,58.754 37.846,55.622 37.846,54.102 40.005,51.943 42.164,51.943 P21.3@43.688,50.419
MOSI2h_N: J3.13 R5.1 U1_A2.18 | length 11.9
  Top Copper Layer w0.25: U1_A2.18@125.25,20.95 125.25,20.375 125.32,20.305 R5.1@125.32,18.5 125.32,18.025 126.25,17.095 v1(126.25,15.5)
  Bottom Copper Layer w0.25: J3.13@125.5,10.26 125.5,13 125.5,15.5 v1(126.25,15.5)
MOSI2h_P: J3.14 R5.2 U1_A2.19 | length 11.8
  Top Copper Layer w0.25: U1_A2.19@125.75,20.95 125.75,19.405 126.18,18.975 R5.2@126.18,18.5 126.18,18.025 127.25,16.955 v1(127.25,15.5)
  Bottom Copper Layer w0.25: J3.14@126,10.26 126,11.685 126,13.75 127.25,15 v1(127.25,15.5)
MOSI3_1_N: J13.9 P14.8 | length 20.3
  Top Copper Layer w0.25: J13.9@178.1,79.8 178.1,72.4 v1(179,71.5)
  Bottom Copper Layer w0.25: P14.8@176.29,60.96 177.5,62.17 177.5,68.793 179,70.293 v1(179,71.5)
MOSI3_1_P: J13.8 P14.7 | length 20.9
  Top Copper Layer w0.25: J13.8@177.7,79.8 177.7,71.315 v1(178.258,70.758)
  Bottom Copper Layer w0.25: P14.7@173.75,60.96 175,62.21 175,67 178.258,70.258 v1(178.258,70.758)
MOSI3_2_N: J6.9 P29.8 | length 20.3
  Top Copper Layer w0.25: J6.9@178.1,38.3 178.1,30.9 v1(179,30)
  Bottom Copper Layer w0.25: P29.8@176.29,19.46 177.5,20.67 177.5,27.293 179,28.793 v1(179,30)
MOSI3_2_P: J6.8 P29.7 | length 20.9
  Top Copper Layer w0.25: J6.8@177.7,38.3 177.7,29.815 v1(178.258,29.258)
  Bottom Copper Layer w0.25: P29.7@173.75,19.46 175,20.71 175,25.5 178.258,28.758 v1(178.258,29.258)
MOSI3_N: J7.9 U4.61 | length 47.4
  Top Copper Layer w0.254: J7.9@11.047,15.502 14.359,15.502 18.034,19.177 18.034,30.134 19.558,31.658 19.558,37.634 21.336,39.412 21.336,52.578 22.512,53.754 U4.61@25.019,53.754
MOSI3_P: J7.7 U4.62 | length 47.5
  Top Copper Layer w0.254: J7.7@11.047,14.502 13.898,14.502 18.415,19.019 18.415,29.976 19.939,31.5 19.939,37.476 21.717,39.254 21.717,52.197 22.774,53.254 U4.62@25.019,53.254
MOSI3_SE: P22.9 U4.7 | length 20.1
  Top Copper Layer w0.254: U4.7@32.36,55.254 34.981,55.254 35.56,54.675 35.56,48.514 40.005,44.069 42.291,44.069 43.561,42.799 P22.9@43.688,42.799
MOSI3h_N: J2.9 R9.1 U1_A3.18 | length 11.1
  Bottom Copper Layer w0.25: U1_A3.18@144.25,20.95 144.25,20.375 144.18,20.305 R9.1@144.18,18.5 144.18,18.025 144.075,17.92 144.075,15.155 144.5,14.73 144.5,12.25 145,11.75 J2.9@145,10.26
MOSI3h_P: J2.7 R9.2 U1_A3.19 | length 11.1
  Bottom Copper Layer w0.25: U1_A3.19@143.75,20.95 143.75,19.405 143.32,18.975 143.32,15.203 144,14.523 J2.7@144,10.26
MOSI4_N: J8.9 U4.53 | length 32
  Top Copper Layer w0.254: J8.9@11.047,35.483 13.097,35.483 18.288,40.675 18.288,55.626 20.416,57.754 U4.53@25.019,57.754
MOSI4_P: J8.7 U4.54 | length 32
  Top Copper Layer w0.254: J8.7@11.047,34.483 12.636,34.483 18.669,40.517 18.669,55.245 20.678,57.254 U4.54@25.019,57.254
MOSI4_SE: P21.1 U4.12 | length 17.1
  Top Copper Layer w0.254: U4.12@32.36,57.754 32.372,57.741 33.189,57.741 33.233,57.785 34.606,57.785 37.084,55.307 37.084,52.482 40.417,49.149 42.037,49.149 43.307,47.879 P21.1@43.688,47.879
MOSI4h_N: J3.9 R19.1 U1_A4.18 | length 11.5
  Bottom Copper Layer w0.25: J3.9@123.5,10.26 123.5,17.345 124.18,18.025 ; R19.1@124.18,18.5 124.18,18.025 ; U1_A4.18@124.25,20.95 124.25,20.375 124.18,20.305 124.18,18.025
MOSI4h_P: J3.7 R19.2 U1_A4.19 | length 11.4
  Bottom Copper Layer w0.25: J3.7@122.5,10.26 122.5,12 122.685,12.185 123,12.185 123,17.705 123.32,18.025 R19.2@123.32,18.5 123.32,18.975 123.75,19.405 U1_A4.19@123.75,20.95
MOSI5_N: J9.13 U4.41 | length 18.5
  Top Copper Layer w0.254: J9.13@11.047,57.465 13.396,57.465 15.748,59.817 15.748,63.159 16.343,63.754 U4.41@25.019,63.754
MOSI5_P: J9.14 U4.42 | length 19.4
  Top Copper Layer w0.254: J9.14@11.047,57.965 13.134,57.965 14.605,59.436 v2(14.605,62.738) ; v2@16.637,62.361 16.764,62.488 v2(16.764,62.738) 18.669,62.738 19.185,63.254 U4.42@25.019,63.254
  Bottom Copper Layer w0.254: v2(16.764,62.738) v2(14.605,62.738) ; v2(14.605,62.738) 14.224,62.738 14.414,62.928 v2(14.605,62.738)
MOSI5_SE: P21.7 U4.22 | length 15.5
  Top Copper Layer w0.254: U4.22@32.36,62.754 32.376,62.738 36.576,62.738 39.37,59.944 39.37,57.912 40.386,56.896 42.291,56.896 P21.7@43.688,55.499
MOSI6_N: J10.13 U4.33 | length 19
  Top Copper Layer w0.254: J10.13@11.047,77.446 14.248,77.446 v2(14.478,77.216) ; v2(16.383,77.216) 16.383,75.438 24.067,67.754 U4.33@25.019,67.754
  Bottom Copper Layer w0.254: v2(14.478,77.216) v2(16.383,77.216)
MOSI6_P: J10.14 U4.34 | length 20.1
  Top Copper Layer w0.254: J10.14@11.047,77.946 13.811,77.946 14.097,78.232 14.986,78.232 15.494,77.724 15.494,76.038 16.002,75.53 16.002,74.676 23.424,67.254 U4.34@25.019,67.254
MOSI6_SE: P21.11 U4.27 | length 13.4
  Top Copper Layer w0.254: U4.27@32.384,65.278 U4.27@32.36,65.254 36.215,65.254 39.62,61.849 42.672,61.849 43.688,60.833 P21.11@43.688,60.579
MOSI7_N: J9.9 U4.45 | length 16.6
  Top Copper Layer w0.254: J9.9@11.047,55.465 13.428,55.465 19.717,61.754 U4.45@25.019,61.754
MOSI7_P: J9.7 U4.46 | length 16.8
  Top Copper Layer w0.254: J9.7@11.047,54.465 12.966,54.465 19.756,61.254 U4.46@25.019,61.254
MOSI7_SE: P21.5 U4.20 | length 17.1
  Top Copper Layer w0.254: U4.20@32.36,61.754 36.482,61.754 38.608,59.628 38.608,56.038 40.417,54.229 42.418,54.229 P21.5@43.688,52.959
MOSI8_N: J10.9 U4.37 | length 19.8
  Top Copper Layer w0.254: J10.9@11.047,75.446 14.47,75.446 14.859,75.057 14.859,72.009 21.114,65.754 U4.37@25.019,65.754
MOSI8_P: J10.7 U4.38 | length 19.3
  Top Copper Layer w0.254: J10.7@11.047,74.446 13.946,74.446 14.478,73.914 14.478,71.247 20.471,65.254 U4.38@25.019,65.254
MOSI8_SE: P21.9 U4.25 | length 14.3
  Top Copper Layer w0.254: U4.25@32.36,64.254 36.138,64.254 40.132,60.26 40.132,59.594 40.544,59.182 42.545,59.182 P21.9@43.688,58.039
nCS1_1_N: J13.2 P14.2 R17.1 | length 20
  Top Copper Layer w0.25: J13.2@175.3,79.8 175.3,78 175,77.7 174.25,77.7 174.25,77 174.596,77 175.346,76.25 176,76.25 176,75.394 175.01,75.394 175.01,68.24 176.25,67 R17.1@176.25,66.25 176.25,63.54 P14.2@176.29,63.5
nCS1_1_P: J13.3 P14.1 R17.2 | length 17.1
  Top Copper Layer w0.25: P14.1@173.75,63.5 174.35,64.1 R17.2@174.35,66.25 174.35,67.025 174.51,67.185 v1(174.51,75.99) ; J13.3@175.7,79.8 175.7,77.3 v1(175.75,77.25)
  Bottom Copper Layer w0.25: v1(174.51,75.99) 174.51,76.01 v1(175.75,77.25)
nCS1_2_N: J6.2 P29.2 R24.1 | length 20
  Top Copper Layer w0.25: J6.2@175.3,38.3 175.3,36.5 175,36.2 174.25,36.2 174.25,35.5 174.596,35.5 175.346,34.75 176,34.75 176,33.894 175.01,33.894 175.01,26.74 176.25,25.5 R24.1@176.25,24.75 176.25,22.04 P29.2@176.29,22
nCS1_2_P: J6.3 P29.1 R24.2 | length 17.1
  Top Copper Layer w0.25: P29.1@173.75,22 174.35,22.6 R24.2@174.35,24.75 174.35,25.525 174.51,25.685 v1(174.51,34.49) ; J6.3@175.7,38.3 175.7,35.8 v1(175.75,35.75)
  Bottom Copper Layer w0.25: v1(174.51,34.49) 174.51,34.51 v1(175.75,35.75)
nCS1_N: J7.1 U4.63 | length 53.7
  Top Copper Layer w0.254: J7.1@11.047,11.502 v2@16.184,11.502 ; v2@16.129,11.557 v2@16.184,11.502 ; v2(16.383,15.367) 16.383,16.448 18.796,18.861 18.796,29.818 20.32,31.342 20.32,37.318 22.098,39.096 22.098,51.816 23.036,52.754 U4.63@25.019,52.754 ; v2@16.184,11.502 16.455,11.502 v2(16.383,11.43) 16.256,11.43 v2@16.184,11.502
  Bottom Copper Layer w0.254: v2(16.383,11.43) 16.383,14.732 ; v2(16.383,15.367) v2@16.383,15.24 ; v2@16.51,14.859 v2@16.637,14.986 ; v2@16.7,15.049 v2@16.637,14.986 ; 16.383,14.732 16.129,14.986 v2@16.383,15.24 ; 16.383,14.732 v2@16.383,15.24 ; v2@16.383,15.24 16.637,15.494 v2@16.637,14.986
nCS1_P: J7.3 U4.64 | length 49
  Top Copper Layer w0.254: J7.3@11.047,12.502 15.169,12.502 17.526,14.859 17.526,17.053 19.177,18.704 19.177,29.66 20.701,31.184 20.701,37.161 22.479,38.939 22.479,51.562 23.171,52.254 U4.64@25.019,52.254
nCS1h_N: J2.1 U1_A1.14 U1_A3.14 | length 44.7
  Top Copper Layer w0.25: v1(140.75,13) 140.717,13.033 140.717,16.967 143.25,19.5 ; 143.25,19.5 143.25,20.375 ; 143.25,19.5 143.25,20.375 ; 143.25,20.375 U1_A1.14@143.25,20.95 143.25,20.375
  Bottom Copper Layer w0.25: v1(140.75,13) 141,12.75 J2.1@141,10.26 141,8.755 140.75,8.505 140.75,7.25 142,6 149.957,6 151.5,7.543 151.5,11.043 152.146,11.689 152.146,14.811 148.376,18.581 148.331,18.581 147.737,19.175 147.325,19.175 146.25,20.25 146.25,20.375 U1_A3.14@146.25,20.95
nCS1h_P: J2.3 U1_A1.15 U1_A3.15 | length 44.5
  Top Copper Layer w0.25: v1(141.492,13.742) 141.492,16.992 143.75,19.25 143.75,20.375 U1_A1.15@143.75,20.95
  Bottom Copper Layer w0.25: v1(141.492,13.742) 142,13.235 J2.3@142,10.26 142,8.75 142.25,8.5 142.25,6.5 143,6.5 143.5,7 144,6.5 144.5,7 145,6.5 145.5,7 146,6.5 146.5,7 147,6.5 147.5,7 148,6.5 148.5,7 149,6.5 149.75,6.5 151,7.75 151,11.5 151.5,12 151,12.5 151.5,13 151,13.5 151.5,14 151,14.5 151.25,14.75 151.25,15 148.104,18.146 ; U1_A3.15@145.75,20.95 145.75,20.375 145.75,20.043 147.118,18.675 147.53,18.675 148.081,18.124
nCS2_N: J8.1 U4.55 | length 36.6
  Top Copper Layer w0.254: J8.1@11.047,31.483 14.719,31.483 v2(16.256,33.02) ; v2(15.336,35.814) 15.336,36.645 19.05,40.359 19.05,54.864 20.94,56.754 U4.55@25.019,56.754
  Bottom Copper Layer w0.254: v2(15.336,35.814) 15.336,33.559 15.875,33.02 v2(16.256,33.02)
nCS2_P: J8.3 U4.56 | length 33.2
  Top Copper Layer w0.254: J8.3@11.047,32.483 13.433,32.483 16.764,35.814 16.764,37.534 19.431,40.201 19.431,54.483 21.202,56.254 U4.56@25.019,56.254
nCS2h_N: J3.1 U1_A2.14 U1_A4.14 | length 48.1
  Top Copper Layer w0.25: v1(119.25,13.5) 119.25,15.5 123.25,19.5 ; 123.25,19.5 123.25,20.375 ; 123.25,19.5 123.25,20.375 ; 123.25,20.375 U1_A2.14@123.25,20.95 123.25,20.375
  Bottom Copper Layer w0.25: v1(119.25,13.5) 119.5,13.25 J3.1@119.5,10.26 119.5,8.755 119.25,8.505 119.25,7.25 120.5,6 128.457,6 130,7.543 130,11.043 131,12.043 132.457,12.043 133.25,12.836 133.25,14.457 132.457,15.25 131.707,15.25 128.311,18.646 128.265,18.646 127.737,19.175 127.325,19.175 126.25,20.25 126.25,20.375 U1_A4.14@126.25,20.95
nCS2h_P: J3.3 U1_A2.15 U1_A4.15 | length 48.1
  Top Copper Layer w0.25: v1(119.992,14.242) 119.992,15.492 123.75,19.25 123.75,20.375 U1_A2.15@123.75,20.95
  Bottom Copper Layer w0.25: v1(119.992,14.242) 120.5,13.735 J3.3@120.5,10.26 120.5,8.75 120.75,8.5 120.75,6.5 128.25,6.5 129.5,7.75 129.5,11.25 130.793,12.543 132.25,12.543 132.75,13.043 132.75,14.25 132.25,14.75 131.75,14.75 131.25,14.25 130.75,14.25 130.75,14.75 131,15 131,15.25 130.75,15.5 130.5,15.5 130.25,15.25 129.75,15.25 129.75,15.75 130,16 130,16.25 129.75,16.5 129.5,16.5 129.25,16.25 129,16.25 129,16.5 129.25,16.75 129.25,17 129,17.25 128.104,18.146 ; U1_A4.15@125.75,20.95 125.75,20.375 125.75,20.043 127.118,18.675 127.53,18.675 128.081,18.124
nCS3_N: J9.1 U4.47 | length 21.3
  Top Copper Layer w0.254: J9.1@11.047,51.465 14.635,51.465 v2(15.748,52.578) ; v2(15.367,55.245) 15.367,56.261 19.86,60.754 U4.47@25.019,60.754
  Bottom Copper Layer w0.254: v2@15.24,55.499 v2@15.367,55.372 ; v2(15.748,52.578) 15.113,53.213 15.113,54.991 v2(15.367,55.245) ; v2(15.367,55.245) v2@15.367,55.372 ; v2(15.367,55.245) 15.494,55.245 v2@15.367,55.372
nCS3_P: J9.3 U4.48 | length 18.3
  Top Copper Layer w0.254: J9.3@11.047,52.465 14.111,52.465 16.383,54.737 16.383,56.642 19.995,60.254 U4.48@25.019,60.254
nCS4_N: J10.1 U4.39 | length 17.1
  Top Copper Layer w0.254: J10.1@11.047,71.446 11.047,70.868 v2(13.716,68.199) ; v2(16.129,68.199) 19.574,64.754 U4.39@25.019,64.754
  Bottom Copper Layer w0.254: v2(13.716,68.199) v2(16.129,68.199)
nCS4_P: J10.3 U4.40 | length 19.4
  Top Copper Layer w0.254: J10.3@11.047,72.446 14.041,72.446 14.097,72.39 14.097,70.993 14.732,70.358 14.732,68.326 18.804,64.254 U4.40@25.019,64.254
NetC2_A1_2: C2_A1.2 U1_A1.23 | length 3.7
  Top Copper Layer w0.25: U1_A1.23@148.3,22 148.3,21.38 149.75,19.93 C2_A1.2@150.75,19.93
NetC2_A2_2: C2_A2.2 U1_A2.23 | length 3.7
  Top Copper Layer w0.25: U1_A2.23@128.3,22 128.3,21.38 129.75,19.93 C2_A2.2@130.75,19.93